# Altium PCB ultra.PcbDoc (part 8 of 9)
Units mm, origin at the board's own origin, x right, y up, seen from the top; angles counter-clockwise.
Board outline 210 x 210 mm, 2 copper layers (Top Layer, Bottom Layer), stack 1.591 mm thick; 722 components, 1083 nets, 2232 pads, 1540 vias.
Unrouted connection lines stored in the file: 21.
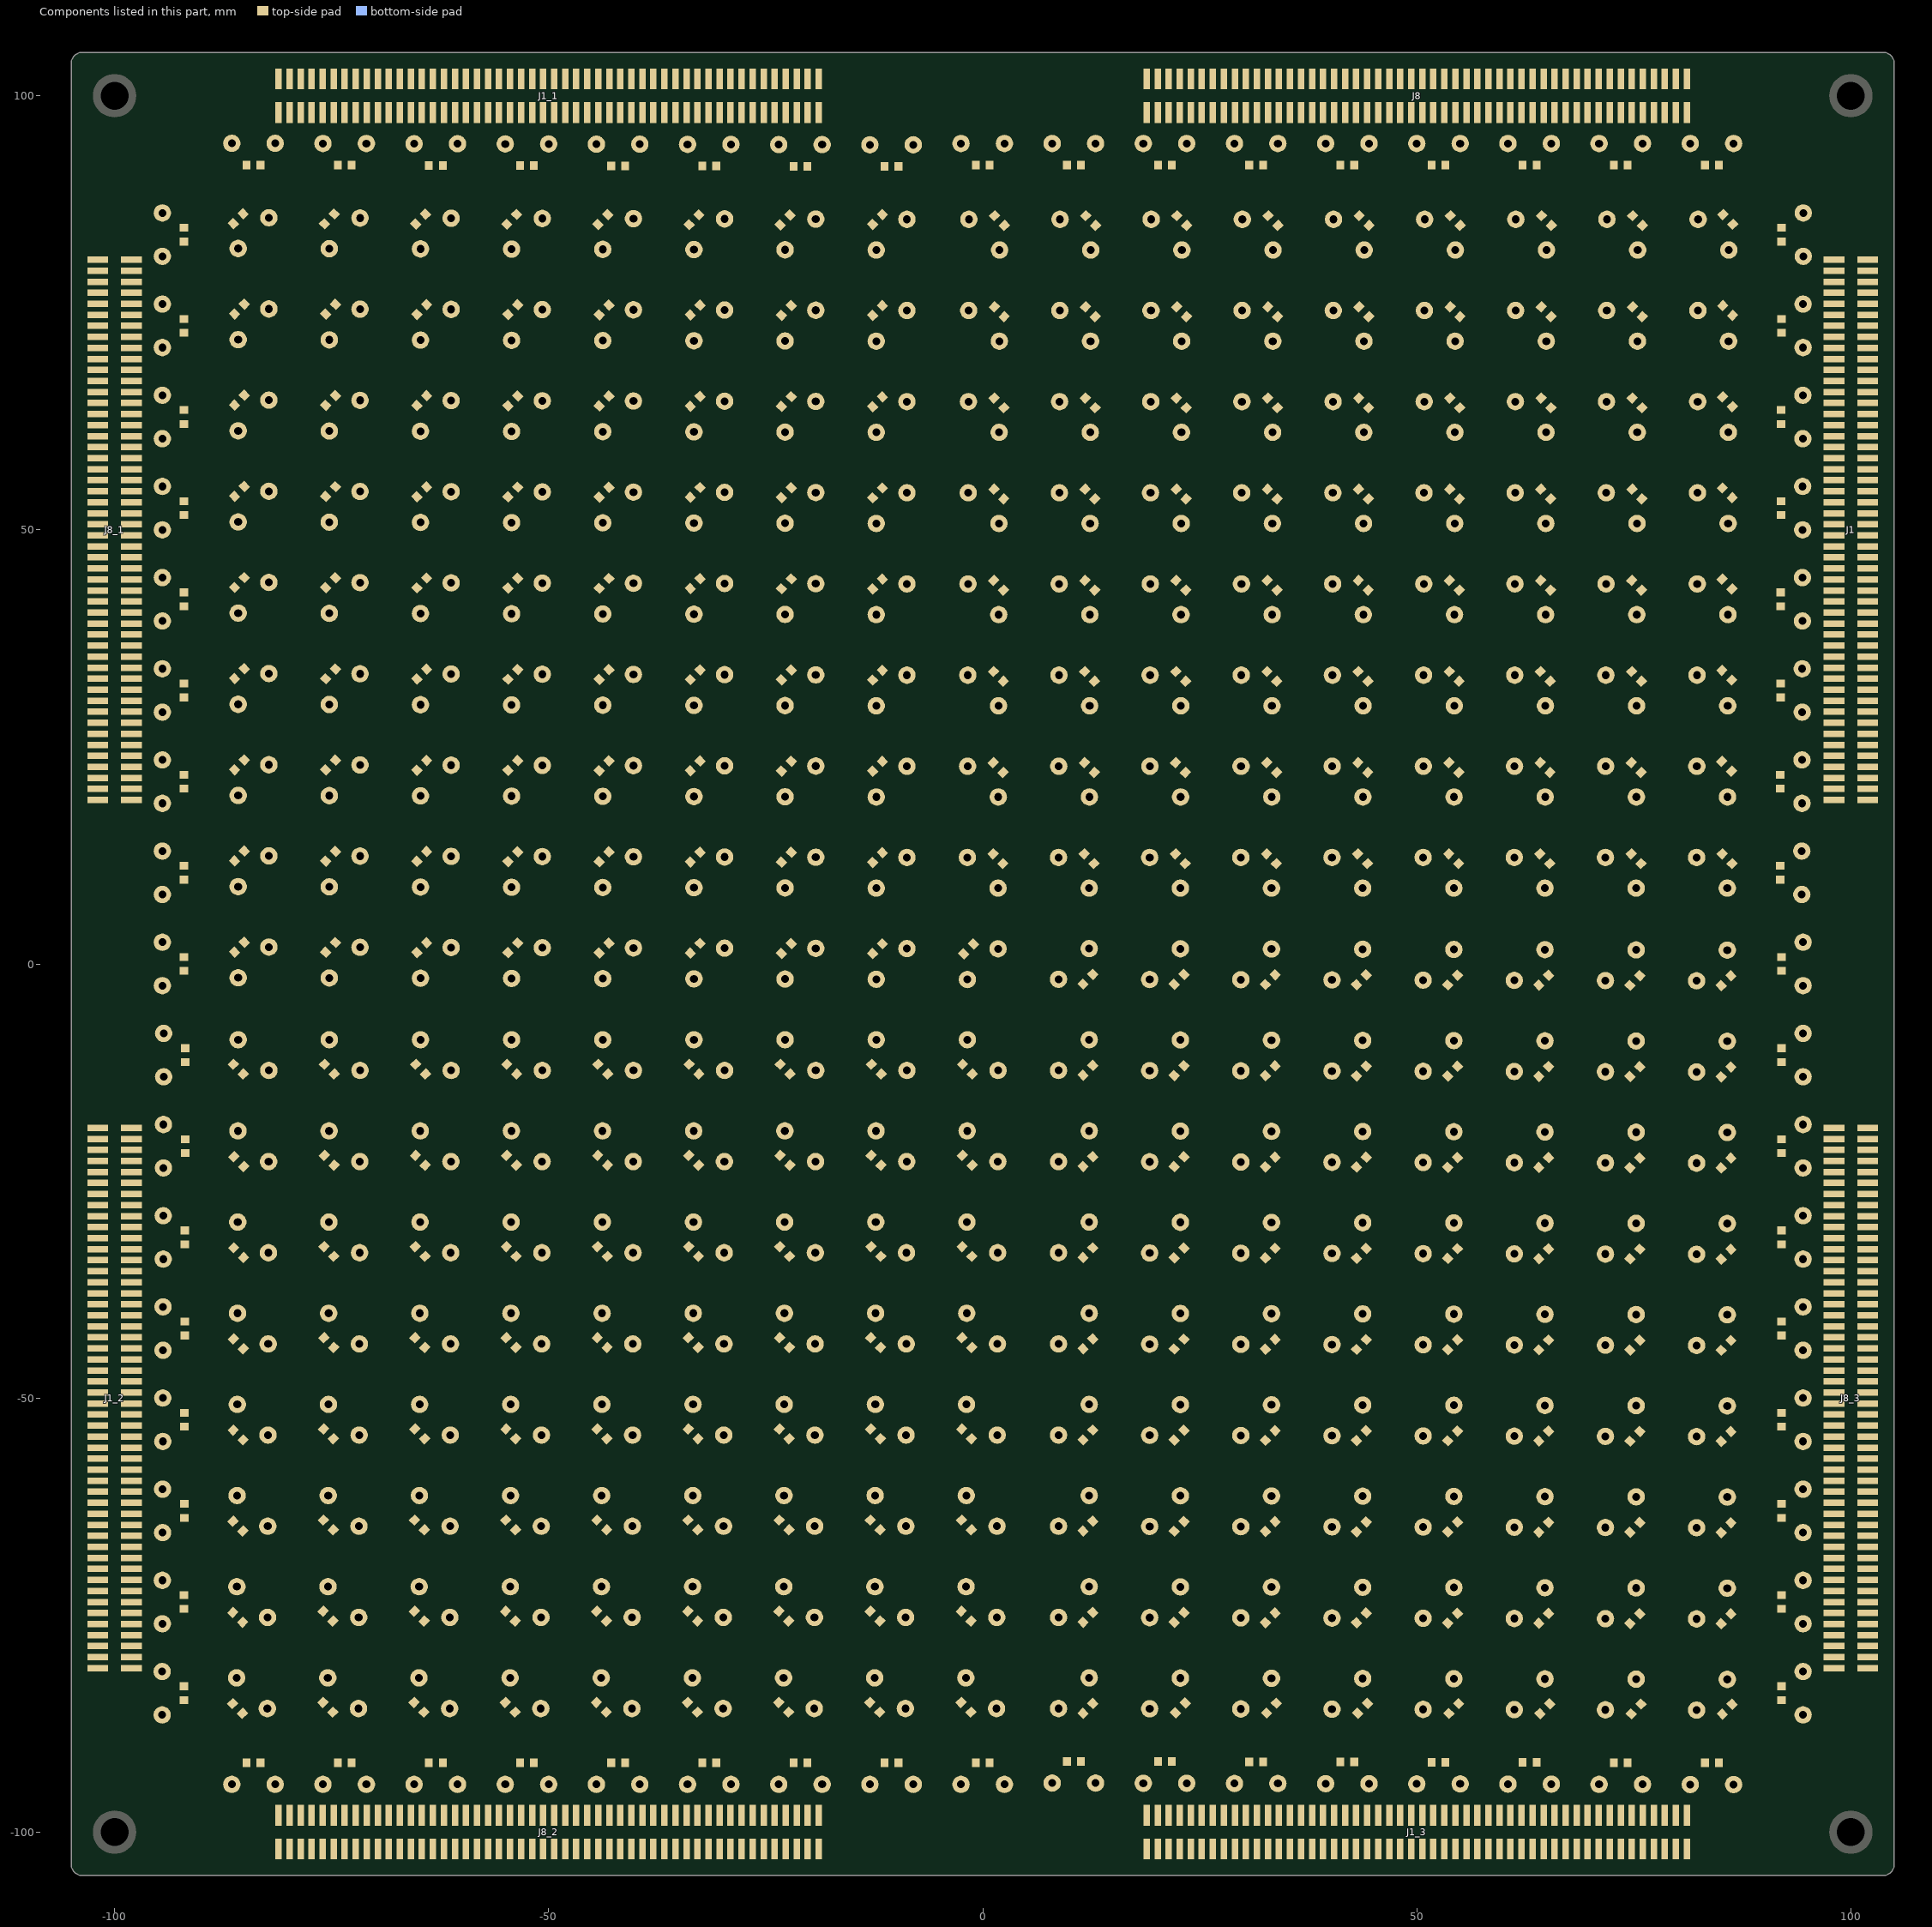
[diagram p8: the components of this part, seen from the top]

## Via types
v1: diameter 0.6, hole 0.3, Top Layer to Bottom Layer, tented both sides, 784 vias
v2: diameter 0.8, hole 0.4, Top Layer to Bottom Layer, tented both sides, 756 vias

## Nets (pads, with @x,y where several pads share a name; then routed paths per layer and width w, separated by ;. In a path a pad name is that pad's centre, name@x,y a point inside that pad or via, vN(x,y) a via of type N, cw(c..) or ccw(c..) an arc to the next point about the centre after c; other vN are vias at no path point) (continued)
copper on no net: (continued)
  Bottom Layer w0.5: v2(-103.962,-30.455) -103.962,-32.537 -101.575,-34.925 -99.797,-34.925 -99.555,-34.684 -94.488,-34.684 ; v2(-103.683,-70.307) -103.683,-70.409 -104.109,-70.835 -104.109,-78.962 -101.12,-81.95 -99.355,-81.95 -94.92,-86.385 ; v2(-103.454,-58.242) -103.454,-57.963 -102.324,-56.832 ; v2(-103.353,-55.651) -100.75,-55.651 -100.674,-55.728 -100.306,-55.359 -99.317,-55.359 -98.949,-55.728 -97.157,-55.728 -95.03,-53.6 -91.915,-53.6 -89.863,-55.651 -83.515,-55.651 -82.017,-57.15 -81.014,-57.15 -80.646,-57.518 -79.174,-57.518 -75.413,-53.757 -75.413,-51.308 ; v2(-103.2,53.188) -101.08,53.188 -100.698,52.805 -100.698,52.526 -100.219,52.047 -100.161,52.047 -100.011,51.897 -99.781,51.897 -99.387,51.503 -99.384,51.503 -98.154,50.273 -98.154,50.27 -97.934,50.05 -97.934,50.032 -95.852,47.95 -92.571,47.95 -91.403,46.782 -81.65,46.782 -79.258,44.39 -77.775,44.39 -76.027,42.642 -74.367,42.642 -65.227,33.503 -61.011,33.503 ; v2(-103.073,-40.564) -101.122,-40.564 -100.144,-39.586 -98.23,-39.586 -96.094,-37.45 -92.16,-37.45 -90.849,-36.14 -78.943,-36.14 -78.816,-36.013 v2(-78.816,-35.941) ; v2(-102.718,40.513) -102.718,42.215 -101.067,43.866 -101.028,43.828 -99.592,43.828 -99.124,43.359 -99.124,43.28 -97.069,41.225 -96.609,41.225 ; v2(-102.667,-84.43) -102.514,-84.43 -97.866,-89.078 -90.526,-89.078 -85.954,-84.506 -85.954,-81.737 ; -102.387,-56.769 -100.496,-56.769 -100.306,-56.959 -99.555,-56.959 -99.187,-57.328 -99.187,-58.318 -99.67,-58.801 -100.051,-58.801 -101.524,-60.274 -101.524,-66.206 -100.456,-67.274 -95.6,-67.274 -95.324,-67.55 -93.511,-67.55 -89.535,-71.526 v2(-89.484,-71.526) ; v2(-101.95,26.505) -101.599,26.505 -99.603,24.508 -99.603,22.946 -97.718,21.062 -97.718,18.819 -89.942,11.043 -80.791,11.043 -71.501,1.753 ; v2(-101.95,27.775) -98.953,24.778 -98.953,23.215 -97.068,21.331 -97.068,19.089 -90.451,12.471 -81.509,12.471 ; v2(-101.95,29.045) -101.851,29.045 -98.303,25.497 -98.303,23.484 -96.418,21.6 -96.418,20.371 -94.907,18.86 ; v2(-101.95,31.585) -101.068,31.585 -100.255,30.772 -100.091,30.772 -99.623,30.304 -99.374,30.304 -98.524,29.455 -98.524,29.206 -94.218,24.9 -93.92,24.9 -93.1,24.08 -93.1,23.782 -90.98,21.662 -84.718,21.662 -75.452,12.395 -72.441,12.395 ; v2(-101.879,23.952) -100.903,22.975 -100.903,22.407 -99.288,20.792 -99.288,10.388 -93.98,5.08 -85.014,5.08 -82.258,2.324 ; v2(-101.727,25.222) -100.253,23.748 -100.253,22.677 -98.368,20.792 -98.368,11.831 -94.361,7.823 -94.361,7.112 ; v2(-101.27,30.302) -100.622,29.654 -99.643,29.654 -99.174,29.186 -99.174,28.207 -97.003,26.035 -97.003,24.023 -95.08,22.1 -92.338,22.1 -91.249,21.012 -84.987,21.012 -65.957,1.981 -61.036,1.981 ; v2(-101.244,51.867) -100.958,51.867 -100.488,51.397 -100.43,51.397 -100.28,51.247 -100.05,51.247 -99.656,50.853 -99.653,50.853 -98.804,50.004 -98.804,50.001 -98.584,49.781 -98.584,49.763 -96.122,47.3 -92.84,47.3 -91.672,46.132 -81.92,46.132 -79.527,43.74 -78.045,43.74 -76.297,41.992 -74.636,41.992 -65.201,32.557 -63.649,32.557 -62.068,30.976 -62.068,29.424 -55.478,22.835 -51.206,22.835 ; v2(-101.143,41.732) -100.551,41.732 -95.618,36.8 -90.818,36.8 -89.289,35.271 -79.715,35.271 -77.699,33.255 -77.699,27.915 -76.276,26.492 -71.857,26.492 -68.707,23.343 -68.707,18.821 -66.04,16.154 -60.247,16.154 -55.838,11.745 -53.274,11.745 -43.409,1.88 -40.232,1.88 ; v2(-101.143,48.108) -101.143,49.846 -101.562,50.265 -101.562,50.418 -104,52.856 -104,53.519 -103.797,53.722 -103.797,53.785 -103.735,53.785 -103.532,53.988 -102.869,53.988 -102.719,53.838 -100.811,53.838 -100.758,53.785 -100.17,53.785 -100.043,53.657 -99.567,53.657 -99.098,53.189 -99.098,53.056 -96.634,50.592 -96.634,50.57 -96.166,50.102 -94.132,50.102 ; v2(-100.762,50.597) -100.319,50.597 -99.925,50.203 -99.922,50.203 -99.454,49.734 -99.454,49.731 -99.234,49.512 -99.234,49.493 -96.386,46.645 -93.104,46.645 -91.942,45.482 -85.752,45.482 -82.812,42.543 -79.408,42.543 -74.127,37.262 -70.825,37.262 -65.47,31.907 -63.919,31.907 -62.718,30.706 -62.718,29.155 -55.748,22.185 -52.665,22.185 -42.799,12.319 -40.488,12.319 ; v2@-100.47,-57.975 -102.514,-60.02 -102.514,-67.081 -101.346,-68.25 -99.314,-68.25 -98.984,-68.58 -93.929,-68.58 v2(-91.262,-71.247) ; v2(-100.254,49.403) -100.063,49.403 -96.655,45.995 -93.374,45.995 -92.211,44.832 -86.021,44.832 -83.081,41.893 -79.677,41.893 -74.396,36.612 -71.094,36.612 -65.74,31.257 -64.188,31.257 -63.368,30.437 -63.368,28.885 -55.215,20.732 -52.131,20.732 -33.228,1.829 -30.48,1.829 ; v2(-100.203,-69.063) -100.368,-69.228 -100.724,-69.228 -103.459,-71.963 -103.459,-78.692 -100.851,-81.3 -97.624,-81.3 -95.374,-83.55 -94.758,-83.55 v2(-93.853,-84.455) ; v2(-100.178,56.998) -101.067,57.887 -101.067,62.168 -100.382,62.852 -99.719,62.852 -99.326,62.459 -97.559,62.459 -97.237,62.137 -96.793,62.137 -96.157,61.5 -95.968,61.5 -95.098,60.63 ; v2(-100.152,-66.446) -100.152,-66.624 -95.331,-66.624 -95.055,-66.9 -88.853,-66.9 -85.928,-69.825 -85.928,-71.374 ; v2(-100.127,60.833) -99.751,60.833 -95.968,57.05 -93.651,57.05 -93.015,56.415 -80.94,56.415 -76.982,52.457 -74.862,52.457 -67.388,44.983 -67.388,44.154 -64.991,41.757 -64.188,41.757 -63.368,40.937 -63.368,40.346 -54.493,31.471 -48.87,31.471 -40.576,23.178 ; v2(-100.101,-34.011) -97.231,-34.011 -96.611,-33.391 -96.611,-33.312 -95.249,-31.95 -93.074,-31.95 -92.596,-31.472 -92.596,-31.352 -90.962,-29.718 -84.963,-29.718 ; v2(-100.076,-26.492) -97.104,-23.52 -93.675,-23.52 ; v2(-100.076,37.821) -98.477,37.821 -96.157,35.5 -92.964,35.5 -89.417,31.953 -86.621,31.953 -86.617,31.957 -84.103,31.957 -75.184,23.038 -71.732,23.038 ; v2(-100.076,45.644) -99.57,45.644 -97.824,43.897 -97.824,43.818 -96.711,42.705 -95.89,42.705 -95.635,42.45 -91.872,42.45 -87.943,38.521 -77.225,38.521 -74.666,35.962 -74.163,35.962 -71.831,33.63 ; v2(-100.076,67.513) -100.406,67.513 -100.94,68.047 -100.94,74.004 -100.179,74.765 -98.629,74.765 -96.597,72.733 -96.203,72.733 -94.742,71.272 -94.259,71.272 ; v2(-100.076,69.748) -98.338,69.748 -96.134,67.544 -95.355,67.544 -95.349,67.55 -93.651,67.55 -93.592,67.491 -86.761,67.491 -82.812,63.543 -79.367,63.543 v2(-78.232,62.408) ; v2(-100.051,-76.048) -96.432,-76.048 -95.08,-77.4 -81.697,-77.4 -76.818,-72.52 -76.818,-71.152 -75.954,-70.289 -73.946,-70.289 -65.278,-61.62 ; v2(-100.051,-74.727) -99.924,-74.6 -93.7,-74.6 -93.135,-75.165 -84.26,-75.165 -82.962,-73.868 -80.452,-73.868 -76.223,-69.639 -74.215,-69.639 -66.293,-61.716 -66.293,-60.652 -65.473,-59.832 -63.49,-59.832 -54.379,-50.721 ; v2(-100.051,-73.533) -100.851,-74.333 -100.851,-76.379 -100.825,-76.404 -100.825,-77.649 -99.774,-78.7 -80.406,-78.7 -64.338,-62.632 -64.288,-62.632 -43.866,-42.21 -43.866,-40.742 ; v2(-100.051,-72.314) -101.501,-73.764 -101.501,-77.893 -100.043,-79.35 -80.136,-79.35 -64.069,-63.282 -64.019,-63.282 -33.477,-32.741 -33.477,-29.732 ; v2(-100.051,-63.322) -96.936,-63.322 -96.413,-62.8 -88.879,-62.8 -85.511,-66.168 -81.697,-66.168 -77.443,-61.914 -77.443,-60.383 -74.942,-57.882 -71.242,-57.882 -66.268,-52.907 -66.268,-50.152 -65.448,-49.332 -59.543,-49.332 -54.153,-43.942 -54.153,-40.232 ; v2(-100.051,-60.884) -99.7,-60.884 -96.616,-57.8 -93.357,-57.8 -92.707,-58.45 -81.553,-58.45 -81.185,-58.818 -78.636,-58.818 -67.2,-47.382 -62.368,-47.382 -58.986,-44 -58.986,-41.057 -55.364,-37.435 -51.034,-37.435 -47.805,-34.206 -47.805,-33.994 -46.956,-33.145 -46.637,-33.145 -45.218,-31.726 -45.218,-29.152 -44.398,-28.332 -38.822,-28.332 -33.223,-22.733 -33.223,-19.66 ; v2(-100.051,-48.108) -97.295,-48.108 -95.738,-46.55 -93.576,-46.55 -91.426,-44.4 -88.467,-44.4 -88.011,-44.856 -87.528,-45.339 v2(-87.503,-45.339) ; v2(-100.051,-29.134) -97.217,-26.3 -92.645,-26.3 -86.068,-19.723 ; v2(-100.051,35.382) -99.624,35.382 -94.895,30.653 -90.399,30.653 -87.736,27.991 -81.975,27.991 -74.767,20.782 -74.688,20.782 -73.868,19.962 -73.868,19.883 -65.831,11.847 -64.222,11.847 -54.305,1.93 -50.267,1.93 ; v2(-100.051,54.585) -99.773,54.307 -99.23,54.307 -97.166,52.243 -93.698,52.243 -93.666,52.275 -90.035,52.275 -85.842,48.082 -81.112,48.082 -78.72,45.69 -77.237,45.69 -75.489,43.942 -72.111,43.942 ; v2(-100.051,55.753) -99.071,55.753 -96.212,52.893 -93.968,52.893 -93.935,52.925 -89.766,52.925 -86.348,49.507 -84.656,49.507 -83.972,50.19 v2(-83.972,50.216) ; v2(-100.051,58.039) -95.555,53.543 -94.237,53.543 -94.205,53.575 -85.686,53.575 -78.45,46.34 -70.584,46.34 -68.688,44.444 -68.688,43.616 -68.468,43.395 -68.468,38.11 -66.665,36.307 -61.168,36.307 -58.359,33.498 -58.359,28.814 -55.006,25.461 -47.488,25.461 -23.678,1.651 -19.888,1.651 ; v2(-100.051,62.052) -95.698,57.7 -93.382,57.7 -92.746,57.065 -80.671,57.065 -76.713,53.107 -74.593,53.107 -66.738,45.252 -66.738,44.423 -66.27,43.955 -66.058,43.955 -64.51,42.407 -63.919,42.407 -62.718,41.206 -62.718,40.615 -55.504,33.401 -50.114,33.401 ; v2(-100.051,65.913) -99.247,65.913 -98.929,65.594 -96.574,65.594 -95.08,64.1 -93.92,64.1 -92.793,65.227 -86.766,65.227 v2(-84.607,63.068) ; v2(-100.051,75.565) -98.216,77.4 -82.012,77.4 -80.832,76.22 -80.832,72.921 -75.451,67.54 -75.451,66.877 -75.463,66.864 -75.463,66.07 -74.125,64.732 -73.88,64.732 -71.918,62.77 -71.918,62.525 -71.257,61.864 -68.494,61.864 -61.671,55.042 ; v2(-100.025,-77.318) -99.293,-78.05 -81.428,-78.05 -75.578,-72.2 ; v2(-100.025,-70.993) -102.159,-73.127 -102.159,-78.154 -100.313,-80 -79.817,-80 -22.784,-22.967 -22.784,-19.685 ; v2(-100.025,-64.287) -96.982,-64.287 -96.144,-63.45 -89.148,-63.45 -85.781,-66.818 -81.428,-66.818 -76.793,-62.183 -76.793,-60.652 -74.672,-58.532 -69.2,-58.532 -64.922,-54.254 -64.922,-50.732 ; v2(-100.025,-50.673) -98.941,-50.673 -95.468,-47.2 -93.307,-47.2 -92.201,-46.094 -87.913,-46.094 -87.863,-46.145 -82.927,-46.145 -82.171,-45.389 -75.408,-45.389 -62.707,-32.688 -62.682,-32.688 -61.862,-31.868 -59.579,-31.868 -54.127,-26.416 -47.625,-26.416 -33.452,-12.243 -33.452,-8.255 ; v2(-100.025,-47.117) -97.409,-47.117 -96.192,-45.9 -93.845,-45.9 -91.695,-43.75 -87.439,-43.75 -87.255,-43.934 -85.516,-43.934 -83.433,-41.851 -83.407,-41.851 -82.177,-40.621 -82.177,-40.394 -81.813,-40.03 -75.819,-40.03 ; v2(-100.025,-43.917) -99.827,-43.917 -99.662,-43.751 -99.592,-43.751 -99.124,-43.283 -99.124,-43.213 -98.36,-42.45 -96.502,-42.45 -96.445,-42.507 -95.782,-42.507 -95.725,-42.45 -86.901,-42.45 -86.717,-42.634 -86.054,-42.634 -83.971,-40.551 -83.946,-40.551 -83.477,-40.082 -83.477,-39.856 -81.711,-38.09 -71.76,-38.09 -66.675,-33.004 -66.675,-29.61 -64.574,-27.508 -58.699,-27.508 -54.356,-23.165 -54.356,-19.66 ; v2(-100.025,-41.681) -99.974,-41.681 -99.2,-40.907 -95.782,-40.907 -95.632,-41.057 -94.374,-41.057 -94.371,-41.059 -92.48,-41.059 -92.478,-41.057 -87.287,-41.057 -87.143,-40.912 v2(-87.355,-40.912) ; v2(-100.025,-23.825) -96.637,-20.437 -96.637,-17.612 -94.336,-15.311 -94.336,-13.411 ; v2(-100.025,39.218) -98.955,39.218 -95.888,36.15 -91.338,36.15 -88.691,33.503 -81.636,33.503 ; v2(-100.025,44.628) -99.473,44.628 -98.474,43.628 -98.474,43.549 -96.98,42.055 -96.16,42.055 -95.904,41.8 -92.141,41.8 -88.212,37.871 -78.257,37.871 -70.409,30.023 -68.174,30.023 -61.443,23.292 ; v2(-100.025,68.529) -99.961,68.529 -99.276,67.845 -99.276,67.78 -98.39,66.894 -95.085,66.894 -95.08,66.9 -93.92,66.9 -93.862,66.841 -87.03,66.841 -83.081,62.893 -80.597,62.893 -75.002,57.298 -72.206,57.298 -67.468,52.559 -67.468,49.739 -65.886,48.157 -63.517,48.157 -59.832,44.473 -59.832,43.454 -57.328,40.95 -57.328,40.589 -55.885,39.147 -55.062,39.147 -54.848,38.932 -53.474,38.932 -53.259,39.147 -50.06,39.147 -12.691,1.778 -8.103,1.778 ; v2(-100.025,71.018) -98.689,71.018 -95.865,68.194 -95.624,68.194 -95.618,68.2 -93.382,68.2 -93.323,68.141 -83.532,68.141 -81.746,66.355 -80.868,66.355 -77.318,62.805 -77.318,60.533 -74.732,57.948 -71.937,57.948 -66.818,52.828 -66.818,50.008 -65.617,48.807 -63.248,48.807 -59.182,44.742 -59.182,43.724 -56.947,41.489 -56.011,41.489 -55.117,42.382 -53.419,42.382 -52.625,41.589 -50.458,41.589 -31.78,22.911 -29.972,22.911 ; v2(-100,-53.137) -96.405,-53.137 -95.262,-51.994 -94.375,-51.994 -90.919,-48.538 -90.919,-48.513 -90.451,-48.044 -89.788,-48.044 -89.737,-48.095 -89.435,-48.095 -89.384,-48.044 -88.721,-48.044 -88.67,-48.095 -82.119,-48.095 -81.363,-47.339 -77.906,-47.339 -77.319,-47.925 -72.801,-47.925 -68.724,-43.848 -68.724,-41.215 -65.692,-38.182 -62.592,-38.182 -54.23,-29.82 ; v2(-100,-32.893) -97.111,-32.893 -95.518,-31.3 -94.72,-31.3 -93.659,-30.239 -93.322,-30.239 -91.501,-28.418 -87.96,-28.418 -84.216,-24.674 -81.177,-24.674 -81.027,-24.524 -80.607,-24.524 -75.552,-19.469 ; v2(-100,-27.788) -99.624,-27.788 -97.486,-25.65 -95.271,-25.65 -95.25,-25.629 -93.421,-25.629 -87.859,-20.066 -87.859,-19.075 -85.217,-16.434 -82.652,-16.434 -75.324,-9.106 ; v2(-100,32.918) -95.9,28.819 -95.9,28.42 -93.68,26.2 -93.382,26.2 -91.8,24.618 -91.8,24.32 -90.441,22.962 -82.702,22.962 ; v2(-100,36.678) -94.625,31.303 -86.352,31.303 -86.348,31.307 -84.373,31.307 -74.498,21.432 -74.419,21.432 -73.218,20.231 -73.218,20.152 -65.562,12.497 -61.519,12.497 ; v2(-100,59.538) -96.862,56.4 -93.92,56.4 -91.745,54.225 -85.417,54.225 -78.181,46.99 -70.315,46.99 -68.038,44.714 -68.038,43.885 -67.818,43.665 -67.818,38.379 -66.396,36.957 -60.898,36.957 -57.709,33.767 -57.709,29.083 -54.737,26.111 -47.219,26.111 -33.553,12.446 -30.328,12.446 ; v2(-100,63.652) -97.834,63.652 -96.968,62.787 -96.524,62.787 -95.888,62.15 -93.112,62.15 -91.985,63.277 -91.456,63.277 -86.544,58.365 -82.464,58.365 -82.462,58.366 -79.924,58.366 -76.597,55.04 -74.334,55.04 -72.312,53.018 -71.712,53.018 -66.202,47.507 -64.627,47.507 -61.122,44.003 ; v2(-100,64.643) -97.905,64.643 -96.699,63.437 -96.255,63.437 -95.618,62.8 -93.382,62.8 -92.254,63.927 -91.187,63.927 -86.274,59.015 -82.733,59.015 -82.731,59.016 -79.655,59.016 -76.328,55.69 -75.665,55.69 -75.457,55.899 -73.12,55.899 -72.187,54.966 ; v2(-100,72.263) -99.014,72.263 -95.601,68.85 -93.112,68.85 -93.054,68.791 -83.263,68.791 -81.476,67.005 -80.599,67.005 -76.668,63.074 -76.668,60.802 -74.463,58.598 -71.668,58.598 -66.168,53.098 -66.168,50.277 -65.348,49.457 -62.978,49.457 -58.532,45.011 -58.532,43.993 -56.678,42.139 -56.28,42.139 -55.386,43.032 -53.149,43.032 -52.499,42.382 -49.24,42.382 -40.217,33.359 ; v2(-99.974,-62.078) -96.347,-58.45 -93.626,-58.45 -92.976,-59.1 -81.822,-59.1 -81.454,-59.468 -78.366,-59.468 -75.48,-56.582 -71.781,-56.582 -67.568,-52.369 -67.568,-49.614 -65.986,-48.032 -62.099,-48.032 -58.336,-44.269 -58.336,-41.326 -55.095,-38.085 -50.764,-38.085 -47.155,-34.476 -47.155,-34.263 -46.686,-33.795 -46.368,-33.795 -43.942,-31.369 -43.942,-30.099 ; v2(-99.974,-56.159) -99.824,-56.309 -99.286,-56.309 -99.157,-56.439 -92.879,-56.439 -92.168,-57.15 -83.591,-57.15 -83.566,-57.125 v2(-83.566,-56.947) ; v2(-99.974,-51.892) -97.587,-51.892 -96.5,-50.805 -96.5,-49.151 -95.199,-47.85 -93.037,-47.85 -91.932,-46.744 -88.183,-46.744 -88.132,-46.795 -82.658,-46.795 -81.902,-46.039 -73.671,-46.039 -73.482,-46.228 v2(-73.355,-46.228) ; v2(-99.974,-45.136) -99.466,-45.136 -97.431,-43.1 -96.771,-43.1 -96.714,-43.157 -95.513,-43.157 -95.456,-43.1 -87.17,-43.1 -86.986,-43.284 -85.785,-43.284 -83.702,-41.201 -83.677,-41.201 -82.827,-40.352 -82.827,-40.125 -81.534,-38.832 -69.896,-38.832 -64.872,-33.807 -64.872,-29.362 ; v2(-99.974,-38.786) -98.349,-38.786 -96.363,-36.8 -92.429,-36.8 -91.118,-35.49 -79.496,-35.49 -79.148,-35.141 -78.423,-35.141 -75.413,-32.131 -75.413,-30.048 ; v2(-99.974,-35.865) -100.14,-36.03 -100.28,-36.03 -100.749,-36.499 -100.749,-36.639 -104.064,-39.954 -104.064,-42.926 -100.965,-46.025 -98.704,-46.025 -97.104,-44.425 -94.209,-44.425 ; v2(-99.974,-31.623) -95.301,-26.95 -89.947,-26.95 -78.933,-15.936 -74.737,-15.936 -74.651,-15.85 -71.933,-15.85 -64.792,-8.708 ; v2(-99.974,-25.095) -95.987,-21.107 -95.987,-17.882 -94.056,-15.951 -92.837,-15.951 -85.801,-8.915 ; v2(-99.974,28.854) -99.824,28.704 -99.824,27.938 -97.653,25.766 -97.653,23.753 -95.349,21.45 -94.221,21.45 v2(-93.701,20.93) ; v2(-99.974,34.112) -99.619,34.112 -94.907,29.4 ; v2(-99.974,46.888) -99.895,46.888 -97.174,44.167 -97.174,44.088 -96.441,43.355 -95.621,43.355 -95.366,43.1 -85.772,43.1 -84.963,42.291 v2(-84.912,42.291) ; v2(-99.974,77.902) -99.826,78.05 -81.606,78.05 -80.182,76.626 -80.182,73.19 -71.619,64.627 ; v2(-99.949,-59.919) -99.654,-59.919 -96.885,-57.15 -93.087,-57.15 -92.437,-57.8 -81.284,-57.8 -80.915,-58.168 -78.905,-58.168 -61.524,-40.788 -59.636,-40.788 -55.633,-36.785 -51.303,-36.785 -48.455,-33.937 -48.455,-33.725 -47.225,-32.495 -46.906,-32.495 -45.868,-31.456 -45.868,-28.883 -44.667,-27.682 -39.671,-27.682 -34.693,-22.704 -34.693,-18.652 -33.873,-17.832 -28.246,-17.832 -22.86,-12.446 -22.86,-9.093 ; v2(-99.949,-54.381) -96.731,-54.381 -95.299,-52.95 -91.645,-52.95 -90.265,-54.331 -85.173,-54.331 -80.897,-50.054 -80.897,-49.89 -79.645,-48.639 -78.444,-48.639 -77.858,-49.225 -72.263,-49.225 -64.667,-41.63 -64.667,-41.352 -64.922,-41.097 -64.922,-41.046 -64.973,-40.996 -64.973,-40.691 ; v2(-99.949,-36.83) -98.232,-36.83 -96.902,-35.5 -92.967,-35.5 -91.657,-34.19 -86.92,-34.19 -78.232,-25.502 -71.374,-25.502 -68.351,-22.479 -68.351,-20.117 -64.414,-16.18 -61.671,-16.18 -54.534,-9.042 ; v2(-99.924,-42.951) -100.533,-42.951 -101.092,-42.393 -101.092,-41.453 -99.875,-40.236 -97.961,-40.236 -95.825,-38.1 -91.699,-38.1 -91.442,-37.843 -91.442,-37.652 -90.58,-36.79 -72.299,-36.79 -69.717,-34.208 -69.717,-30.814 -64.596,-25.692 -61.024,-25.692 -56.871,-21.539 -56.871,-19.83 -53.373,-16.332 -50.952,-16.332 -43.768,-9.148 -43.768,-8.732 ; v2(-99.924,-37.795) -98.278,-37.795 -96.633,-36.15 -92.698,-36.15 -91.388,-34.84 -81.22,-34.84 -76.718,-30.337 -76.718,-29.118 -74.244,-26.645 -68.428,-26.645 -64.77,-22.987 -64.77,-19.232 ; v2(-99.924,31.572) -99.924,31.524 -99.354,30.954 -99.105,30.954 -97.874,29.724 -97.874,29.475 -93.949,25.55 -93.651,25.55 -92.45,24.349 -92.45,24.051 -90.711,22.312 -84.237,22.312 v2(-77.47,15.545) ; v2(-99.924,43.028) -99.924,42.024 -95.349,37.45 -90.549,37.45 -89.02,35.921 -79.065,35.921 -57.381,14.237 -57.381,14.208 -55.568,12.395 -50.952,12.395 ; v2(-99.898,52.857) -99.898,52.703 -99.742,52.547 -99.509,52.547 -97.284,50.322 -97.284,50.301 -95.583,48.6 -92.302,48.6 -91.134,47.432 -81.381,47.432 -78.989,45.04 -77.506,45.04 -75.758,43.292 -73.772,43.292 v2(-73.457,42.977) ; v2(-99.873,-70.028) -100.355,-70.028 -102.809,-72.481 -102.809,-78.423 -100.582,-80.65 -97.355,-80.65 -95.105,-82.9 -93.945,-82.9 -91.741,-80.696 -79.594,-80.696 -12.319,-13.421 -12.319,-8.23 ; v2(-99.847,73.965) -99.797,73.965 -95.332,69.5 -92.843,69.5 -92.785,69.441 -82.512,69.441 -81.801,68.73 -81.801,68.249 -81.243,67.691 -80.366,67.691 -75.457,62.782 -74.688,62.782 -73.868,61.962 -73.868,61.717 -64.408,52.257 -64.188,52.257 -63.368,51.437 -63.368,51.213 -56.021,43.866 -50.343,43.866 ; v2(-99.822,-65.405) -97.18,-65.405 -95.875,-64.1 -89.418,-64.1 -86.05,-67.468 -81.158,-67.468 -75.286,-61.595 ; v2(-96.901,60.757) -94.494,58.35 -93.112,58.35 -92.477,57.715 -82.194,57.715 -82.193,57.716 -81.654,57.716 -81.653,57.715 -81.28,57.715 -81.278,57.716 -80.193,57.716 -76.867,54.39 -75.472,54.39 -75.413,54.331 -74.544,54.331 -65.768,45.555 -65.228,45.555 -61.418,41.745 -61.418,41.153 -60.78,40.515 -58.173,40.515 -55.94,38.282 -53.243,38.282 v2(-46.634,31.674) ; v2(-96.393,-60.808) -95.875,-60.29 -95.875,-59.92 -95.055,-59.1 -93.895,-59.1 -92.391,-60.604 v2(-91.313,-60.604) ; v2(-96.368,64.237) -96.136,64.237 -95.349,63.45 -93.651,63.45 -92.524,64.577 -90.918,64.577 -86.005,59.665 -83.002,59.665 -83.001,59.666 -78.442,59.666 -75.997,57.221 v2(-75.997,56.49) ; v2(-96.266,73.533) -95.763,73.533 -95.537,73.307 -88.75,73.307 -88.443,73 -86.655,73 -86.348,73.307 -84.52,73.307 -78.753,67.54 -78.753,67.521 -74.664,63.432 -74.419,63.432 -73.218,62.231 -73.218,61.986 -64.139,52.907 -63.919,52.907 -62.718,51.706 -62.718,51.486 -57.333,46.101 v2(-57.125,46.101) ; v2(-96.241,-71.577) -96.241,-70.761 -95.08,-69.6 -93.92,-69.6 -92.062,-71.458 -92.062,-71.578 -90.425,-73.215 -85.067,-73.215 -83.77,-71.918 -82.701,-71.918 -81.738,-70.955 -81.217,-70.955 -69.444,-59.182 -63.759,-59.182 -55.768,-51.191 -55.768,-50.152 -54.948,-49.332 -52.583,-49.332 